# Allegro board LAY-95869_A.brd (continued)
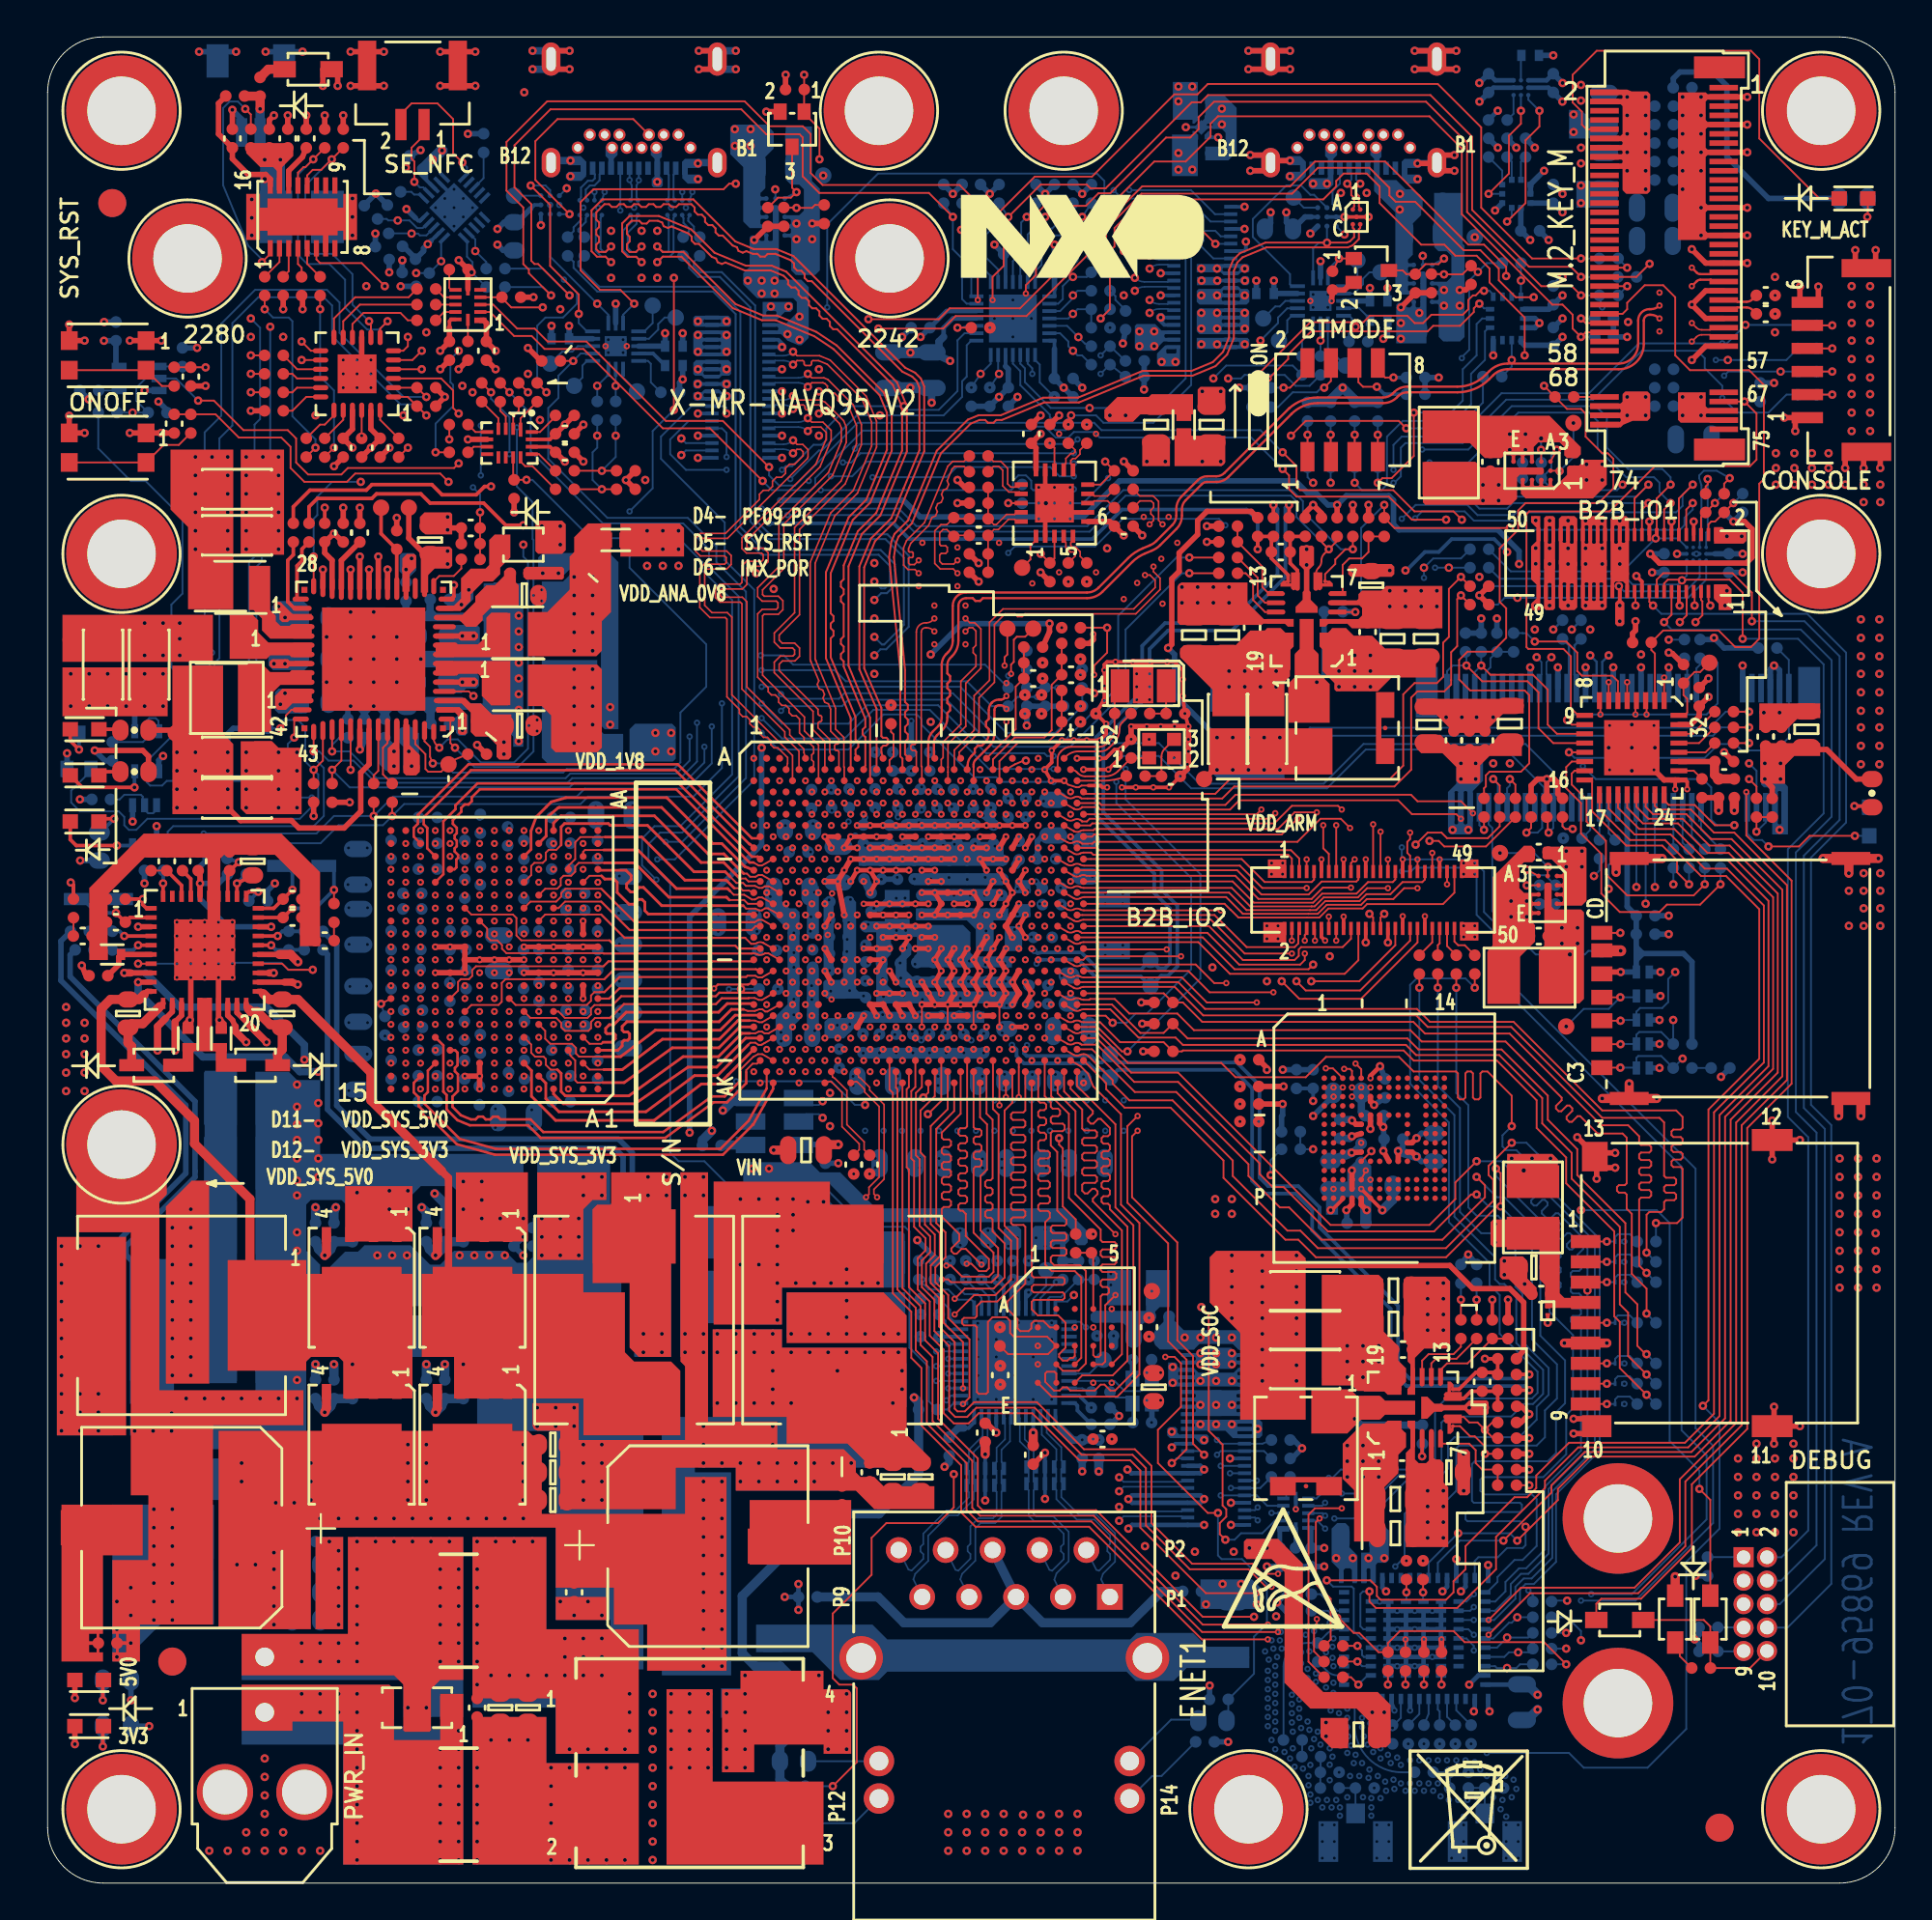
[diagram p0: board, top side]
## Copper pours and planes (outline as drawn; the poured copper is in the pictures) (continued)
VDD_3V3_M2_KEYB on TOP (solid shape): 95.95,61.05 94.55,61.05 94.05,60.55 94.05,59.55 92.8,59.55 92.7,59.65 92.7,61.6 92.85,61.75 95.95,61.75
VDD_3V3_M2_KEYB on TOP (solid shape): 76,61.6 78,61.6 78.6,62.2 79.8,62.2 79.8,61.05 78.05,61.05 77.55,60.55 77.55,59.65 77.45,59.55 76.4,59.55 76.25,59.7 76.25,60.45 75.5,61.2 74.35,61.2 74.1,61.45 74.1,62.05 74.25,62.2 75.4,62.2
VDD_3V3_M2_KEYB on TOP (solid shape): 83.3,56.05 83.3,53.2 83.04,52.94 81.66,52.94 81.61,52.99 81.61,53.09 81.66,53.14 81.96,53.14 82.01,53.19 82.01,53.39 81.96,53.44 81.66,53.44 81.61,53.49 81.61,53.59 81.66,53.64 81.96,53.64 82.01,53.69 82.01,53.89 81.96,53.94 81.66,53.94 81.61,53.99 81.61,54.09 81.66,54.14 81.96,54.14 82.01,54.19 82.01,54.39 81.96,54.44 81.66,54.44 81.61,54.49 81.61,54.59 81.66,54.64 81.96,54.64 82.01,54.69 82.01,54.84 81.41,55.44 81.01,55.44 80.91,55.54 80.91,56.04 81.01,56.14 83.21,56.14
VDD_3V3_M2_KEYB on BOTTOM (solid shape): 94.05,59.55 94.2,59.4 94.2,56.8 93.35,56.8 93.35,59.1 93.65,59.1 93.65,57.4 93.7,57.35 93.8,57.35 93.85,57.4 93.85,59.1 93.8,59.15 93.7,59.15 93.65,59.1 93.35,59.1 93.1,59.35 92.9,59.35 92.75,59.5 92.75,60.9 94.05,60.9
VDD_3V3_M2_KEYB on BOTTOM (solid shape): 77.7,59.7 77.15,59.15 77.15,56.95 77,56.8 75.95,56.8 75.8,56.95 75.8,59.1 76.15,59.1 76.15,57.4 76.2,57.35 76.3,57.35 76.35,57.4 76.35,59.1 76.65,59.1 76.65,57.4 76.7,57.35 76.8,57.35 76.85,57.4 76.85,59.1 76.8,59.15 76.7,59.15 76.65,59.1 76.35,59.1 76.3,59.15 76.2,59.15 76.15,59.1 75.8,59.1 76.25,59.55 76.25,60.9 77.7,60.9
VDD_3V3_M2_KEYB on L6_POWER2: 75.2,63.75 75.2,53.8 86.15,53.8 86.15,56.55 89.05,56.55 89.4,56.9 89.4,58.35 89.75,58.7 91.35,58.7 91.75,58.3 91.75,56.55 93.7,56.55 94.2,57.05 94.2,63.75
VDD_3V3_M2_KEYM on TOP (solid shape): 86.75,80.65 86.75,79.35 86.6,79.2 85.79,79.2 85.29,78.99 85.15,78.85 83.5,78.85 83.5,79.15 85.1,79.15 85.15,79.2 85.15,79.3 85.1,79.35 83.5,79.35 83.5,79.65 85.1,79.65 85.15,79.7 85.15,79.8 85.1,79.85 83.5,79.85 83.5,80.15 85.15,80.15 85.25,80.25 85.25,80.65 85.4,80.8 86.6,80.8
VDD_3V3_M2_KEYM on TOP (solid shape): 84.4,75.75 83.65,75 80,75 79.74,75.26 79.74,76.04 79.79,76.09 79.89,76.09 79.94,76.04 79.94,75.74 79.99,75.69 80.19,75.69 80.24,75.74 80.24,76.04 80.29,76.09 80.39,76.09 80.44,76.04 80.44,75.74 80.49,75.69 80.69,75.69 80.74,75.74 80.74,76.04 80.79,76.09 80.89,76.09 80.94,76.04 80.94,75.74 80.99,75.69 81.19,75.69 81.24,75.74 81.24,76.04 81.29,76.09 81.39,76.09 81.44,76.04 81.44,75.74 81.49,75.69 81.64,75.69 82.24,76.29 82.24,76.69 82.34,76.79 82.89,76.79 83.2,77.1 84.4,77.1
VDD_3V3_M2_KEYM on TOP (solid shape): 85.74,97.05 86.6,97.05 86.75,96.9 86.75,91.65 86.6,91.5 85.45,91.5 85.25,91.7 85.25,92.85 83.5,92.85 83.5,93.15 85.2,93.15 85.25,93.2 85.25,93.3 85.2,93.35 83.5,93.35 83.5,93.65 85.2,93.65 85.25,93.7 85.25,93.8 85.2,93.85 83.5,93.85 83.5,94.15 85.2,94.15 85.25,94.2 85.25,94.3 85.2,94.35 83.5,94.35 83.5,94.65 85.15,94.65 85.25,94.75 85.25,96.25 85.15,96.35 83.5,96.35 83.5,96.65 85.2,96.65 85.25,96.7 85.25,96.8 85.2,96.85 83.5,96.85 83.5,97.15 85.5,97.15
VDD_3V3_M2_KEYM on BOTTOM: 82.75,94.1 82.75,93.05 82.9,92.9 83.4,92.9 83.75,93.25 84.75,93.25 85.25,92.75 85.25,88.6 85.65,88.2 86.5,88.2 86.5,91.15 87.35,92 87.35,96.25 88.3,97.2 88.3,97.6 86.95,97.6 86.4,97.05 85.2,97.05 84.6,97.65 82.9,97.65 82.75,97.5 82.75,96.45 82.9,96.3 83.55,96.3 83.75,96.5 85,96.5 85.25,96.25 85.25,94.5 85,94.25 82.9,94.25
VDD_3V3_M2_KEYM on BOTTOM: 87.2,78.5 87.2,77.4 88.55,77.4 88.55,78.85 87.85,79.55 87.55,79.55 87.35,79.75 87.35,82.3 86.7,82.3 85.25,80.85 85.25,79.2 86.5,79.2
VDD_3V3_M2_KEYM on L6_POWER2: 79.95,81.8 79.95,73.85 84.5,73.85 84.5,68.1 84.9,67.7 86.85,67.7 87.15,68 87.15,73.85 90.55,73.85 90.55,97.75 82.65,97.75 82.65,86.95 84.8,86.95 84.8,81.8
VDD_ANA_0V8 on TOP (solid shape): 30.5,68.85 30,68.35 30,66.75 29.7,66.45 26,66.45 26,68.85 27.05,68.85 28.25,70.05 28.25,71.85 28.5,72.1 28.5,72.9 29.25,73.65 30.5,73.65
VDD_ANA_0V8 on BOTTOM (solid shape): 29.75,70.85 29.75,66.5 26.75,66.5 26.75,70.5 27.9,70.5 28.4,71 29.6,71
VDD_ANA_0V8 on BOTTOM (solid shape): 43.76,53.14 43.76,48.42 43.9,48.29 44.25,48.29 44.31,48.23 44.31,47.91 42.17,47.91 41.99,48.1 41.99,48.81 42.1,48.92 42.9,48.92 43.06,49.09 43.06,53.26 43.17,53.38 43.52,53.38
VDD_ANA_0V8 on TOP: 43.56,52.7 44.01,52.7 44.37,52.34 44.37,48.8 44.2,48.63 43.51,48.63 43.37,48.76 43.37,48.91 43.28,49.01 43.28,52.42
VDD_ANA_0V8 on L8_IN2: 28.2,66.3 28.2,70.95 28.75,71.5 30.9,71.5 31.8,70.6 41.3,70.6 42.7,69.2 42.7,54.45 44.45,52.7 44.45,48 43.65,47.2 40.75,47.2 36.35,51.6 36.35,61.6 35.15,62.8 30.25,62.8 29.95,63.1 29.95,66.1 29.75,66.3
VDD_ANA_0V8_F on TOP (solid shape): 34.45,73.4 34.45,71.85 31,71.85 31,73.65 34.2,73.65
VDD_ANA_0V8_F on TOP: 42.9,56.2 42.9,55.95 43,55.85 44.05,55.85 44.15,55.95 44.15,56.3 44.3,56.45 45.8,56.45 45.8,56.9 43.2,56.9 43.2,56.5
VDD_ANA_0V8_F on BOTTOM: 43.23,58.59 45.01,58.59 45.14,58.46 45.14,57.85 45.01,57.72 45.01,57.21 44.76,56.96 44.17,56.96 43.76,56.55 43.48,56.55 43.06,56.97 43.06,58.41
VDD_ANA_0V8_F on L8_IN2: 46.84,53.91 46.84,52.23 47.07,52.01 47.07,50.88 47.58,50.37 47.58,49.06 48.02,48.61 56.55,48.61 56.55,44.15 55.15,42.75 53.1,42.75 53.1,44.95 51.55,46.5 49.35,46.5 48.7,45.85 48.5,45.85 47.8,46.55 44.85,46.55 44.56,46.26 44.56,45.91 44.45,45.8 44,45.8 43.8,46 43.8,47.05 44.69,47.94 44.69,52.81 42.9,54.6 42.9,69.5 41.6,70.8 39.05,70.8 38.45,71.4 34.7,71.4 34.35,71.75 32.1,71.75 32.1,73.3 32.3,73.5 44.95,73.5 47.1,71.35 47.1,62.85 51.3,58.65 51.3,57.7 51.49,57.51 51.49,57.19 50.95,56.65 49.33,56.65 47.76,55.08 46.96,55.08 46.53,54.66 46.53,54.22
VDD_ANA_1V8_F on BOTTOM (solid shape): 34,62.6 34,60.9 33.85,60.75 31.8,60.75 31.5,61.05 31.5,62.5 31.8,62.8 33.8,62.8
VDD_ANA_1V8_F on TOP: 41.85,57.05 41.85,54.6 43.05,54.6 43.05,55.5 42.7,55.85 42.7,56.3 43.05,56.65 43.05,57.05
VDD_ANA_1V8_F on BOTTOM: 42.08,58.59 42.65,58.59 42.82,58.41 42.82,57.9 41.9,56.97 41.9,55.65 41.75,55.5 41.03,55.5 40.92,55.61 40.92,57.39 41.19,57.66 41.48,57.66 42,58.17 42,58.5
VDD_ANA_1V8_F on BOTTOM: 52.88,48.99 53.31,48.99 53.48,48.82 53.48,47.23 53.73,46.97 54.14,46.97 54.64,47.47 54.64,47.92 54.85,48.13 55.62,48.13 55.9,47.84 55.9,47.46 54.91,46.47 54.91,45.61 54.6,45.3 53.5,45.3 52.77,46.03 52.77,48.88
VDD_ANA_1V8_F on L3_IN1: 53.36,55.73 53.36,55.32 52.92,54.88 52.17,54.88 50.65,56.4 44.24,56.4 43.2,55.35 43.2,53.41 43.48,53.13 43.48,49.98 45.14,48.32 46.14,48.32 46.7,47.77 51.48,47.77 51.95,48.24 51.95,48.9 52.1,49.05 53.09,49.05 53.4,48.73 53.4,46.21 52.85,45.66 42.2,45.66 41.18,46.67 41.18,56.14 41.32,56.28 41.32,57.97 41.85,58.5 52.71,58.5 52.99,58.22 52.99,57.64 53.63,57.01 53.63,56
VDD_ANA_1V8_F on L5_POWER1: 49.85,61.85 49.85,57.85 48.9,56.9 48.6,56.9 48.45,57.05 47.9,57.05 47.65,56.8 47.45,56.8 46.4,57.85 43.5,57.85 42.7,57.05 42.7,55.25 42.05,54.6 36.1,54.6 32.6,58.1 32.6,62.45 33.1,62.95 37.7,62.95 38.2,62.45 38.2,61.35 38.5,61.05 39.6,61.05 40.4,61.85
VDD_ANA_1V8_F on L8_IN2: 46.25,46.35 46.25,43.7 39.6,43.7 33.9,49.4 33.9,56.7 32.55,58.05 32.55,62.6 35,62.6 36.15,61.45 36.15,51.4 40.55,47 43.6,47 43.6,45.95 43.95,45.6 44.55,45.6 44.75,45.8 44.75,46.15 44.95,46.35
VDD_ARM on TOP (solid shape): 69.55,60.05 62.85,60.05 62.85,62.55 69.55,62.55
VDD_ARM on BOTTOM (solid shape): 51.7,54.05 46.9,54.05 46.9,54.7 51.7,54.7
VDD_ARM on BOTTOM (solid shape): 66.95,59.8 63.35,59.8 63.05,60.1 63.05,62.3 66.95,62.3
VDD_ARM on BOTTOM (solid shape): 52,52.15 51.2,52.15 51.2,50.5 50.25,50.5 50.25,51.65 49.75,52.15 47,52.15 47,52.8 52,52.8
VDD_ARM on TOP: 47.22,55.08 49.97,55.08 50.48,54.57 51.21,54.57 51.38,54.41 51.38,54.02 51.13,53.78 51.13,53.52 50.88,53.27 50.86,53.27 50.86,52.78 51,52.64 51,52.35 50.86,52.21 50.19,52.21 49.04,51.06 47.22,51.06 47.09,51.19 47.09,51.38 47.23,51.52 48.22,51.52 48.52,51.82 48.52,52.05 48.36,52.21 47.26,52.21 47.08,52.39 47.08,54.94
VDD_ARM on BOTTOM: 55.42,54.9 58.2,54.9 58.65,54.45 58.65,52.55 58.35,52.25 55.65,52.25 55.42,52.48
VDD_ARM on L5_POWER1: 67.15,48.99 54.66,48.99 52.8,50.85 48.25,50.85 46.65,52.45 46.65,54.13 47.21,54.69 47.94,54.69 48.92,55.67 49.58,55.67 50.05,56.15 50.05,56.8 50.05,62.8 66.65,62.8 67.15,62.3
VDD_ARM on L6_POWER2: 54.3,53.1 54.3,58.95 55.55,60.2 60,60.2 62.65,62.85 69.05,62.85 69.85,62.05 69.85,47.7 56.23,47.7 56.23,47.7 54.6,47.7 51.35,50.95 47.82,50.95 46.7,52.07 46.7,54.15 47.28,54.73 47.89,54.73 48.2,55.05 48.99,55.05 49.66,54.38 51.38,54.38 51.66,54.1 51.66,53.49 52.55,52.6 53.8,52.6
VDD_ARM on L7_GND3: 57.35,54.3 56.86,54.09 56.65,53.6 56.65,53 56.84,52.54 57.3,52.35 58.2,52.35 58.41,52.44 58.5,52.65 58.5,53.95 58.4,54.2 58.15,54.3
VDD_ARM on L8_IN2: 51,53.2 51,50.94 50.81,50.75 47.49,50.75 47.22,51.02 47.22,52.14 46.98,52.38 46.98,53.99 46.73,54.24 46.73,54.57 47.02,54.86 47.67,54.86 47.96,55.15 48.16,55.15 49.48,56.48 51.63,56.48 52.3,57.15 58.8,57.15 58.8,52.52 55.78,52.52 54.3,54 53.7,54.6 52.4,54.6
VDD_BAT on TOP (solid shape): 18.75,10.5 18.75,7.75 21.25,7.75 21.25,10.25 22.5,10.25 22.5,1 16,1 16,8.75 13.25,8.75 13.25,8.25 10.5,8.25 10.5,10.75 18.5,10.75
VDD_BAT on BOTTOM (solid shape): 18.75,8.5 22.5,8.5 22.5,1 16,1 16,7.5 10.5,7.5 10.5,10.5 18.75,10.5
VDD_BATF on TOP (solid shape): 27,6.5 32,6.5 32,1 23,1 23,9 27,9
VDD_BATF on BOTTOM (solid shape): 27,6.5 32,6.5 32,1 23,1 23,9 27,9
VDD_BATFC on TOP (solid shape): 36,5.5 42,5.5 42,1 33.5,1 33.5,10.5 36,10.5
VDD_BATFC on TOP (solid shape): 39.75,29 46.5,29 46.5,24.3 47.8,23 47.8,22.75 47.55,22.5 44.25,22.5 44.25,22.85 43.3,23.8 40,23.8 40,25.25 36,25.25 36,30 39.75,30
VDD_BATFC on BOTTOM (solid shape): 39.75,29 46.3,29 46.3,28.35 46.5,28.15 46.5,25.75 36,25.75 36,30 39.75,30
VDD_BATFC on L3_IN1: 33.5,11 33.5,5.95 42.65,5.95 46.5,9.8 46.5,30 36,30 36,25.55 37.95,25.55 37.95,11
VDD_BBSM_1V8 on TOP (solid shape): 21.9,72.25 21.9,71.35 21.75,71.2 20.95,71.2 20.6,70.85 20.6,69.9 20.2,69.9 20.2,72.15 20.45,72.4 21.75,72.4
VDD_BBSM_1V8 on L8_IN2: 52.25,57.5 51.75,57.5 51.5,57.75 51.5,59 48.55,61.95 48.55,66.45 47.35,67.65 47.35,71.4 45.05,73.7 32,73.7 30.35,72.05 25.55,72.05 24.65,71.15 21.15,71.15 20.85,71.45 20.85,74.5 24.45,74.5 25.6,75.65 47.1,75.65 50.5,72.25 50.5,65.9 53.3,63.1 53.3,62.1 52.6,61.4 52.6,60.65 52.8,60.45 53.95,60.45 53.95,59.2
VDD_SD2_3V3 on TOP (solid shape): 19.6,61.65 20.15,61.1 20.15,60.2 19.95,60 19.4,60 19.25,60.15 19.25,62.75 19.6,62.75
VDD_SD2_3V3 on TOP (solid shape): 81.85,31.95 82.1,31.7 83.55,31.7 83.55,31.15 81.05,31.15 81.05,32.4 80.75,32.7 80.75,34.45 78.25,34.45 78.1,34.6 78.1,35.8 78.25,35.95 81.85,35.95
VDD_SD2_3V3 on BOTTOM (solid shape): 20.1,60.45 19.9,60.25 19.25,60.25 19.25,61.55 18.9,61.9 18.9,62.3 20.1,62.3
VDD_SD2_3V3 on L3_IN1: 62.7,36.3 62.7,33.75 63.2,33.25 78.7,33.25 78.7,36 73.4,36 72.2,34.8 68.4,34.8 66.55,36.65 63.05,36.65
VDD_SD2_3V3 on L8_IN2: 9.55,63.3 9.55,42.6 16.7,35.45 29.75,35.45 35.5,29.7 47.7,29.7 48.15,30.15 55.8,30.15 56.05,30.4 58.85,30.4 64.35,35.9 64.35,36.4 64.2,36.55 62.7,36.55 58.15,32 56.2,32 55.8,31.6 52.9,31.6 52.25,32.25 47.25,32.25 44.85,34.65 34.65,34.65 30.5,38.8 19.45,38.8 13,45.25 13,58.2 14.2,59.4 14.65,59.4 15.9,60.65 16.65,60.65 17.9,59.4 20.62,59.4 20.62,63.3
VDD_SDIO2 on TOP (solid shape): 22.9,63.9 23.45,63.9 24.05,63.3 25.1,63.3 25.1,61 24.95,60.85 24.45,60.85 24.3,61 24.3,61.65 23.85,62.1 23.15,62.1 22.9,62.35 22.9,63.4 22.4,63.9 21.1,63.9 21.1,64.2 22.6,64.2
VDD_SDIO2 on L8_IN2: 59.55,47.95 59.55,44.3 56.35,41.1 53.25,41.1 52.85,40.7 52.85,36.6 51.55,35.3 34.35,35.3 30.65,39 19.65,39 13.2,45.45 13.2,56.3 16.1,59.2 20.8,59.2 20.8,62.2 25.15,62.2 25.15,57.6 24.5,56.95 17.4,56.95 15.5,55.05 15.5,45.9 20.15,41.25 31.9,41.25 35.3,37.85 49.45,37.85 50.4,38.8 50.4,46.08 50.55,46.23 51.32,46.23 52.85,44.69 52.85,42.55 55.25,42.55 56.8,44.1 56.8,47.95
VDD_SOC on TOP (solid shape): 27.95,71.2 27.95,70.7 27.85,70.6 25.9,70.6 25.75,70.75 25.75,71.15 25.9,71.3 27.85,71.3
VDD_SOC on TOP (solid shape): 68.1,33.85 68.1,25.1 64.55,25.1 64.55,29.8 62.9,31.45 62.9,33.9 63.25,34.25 67.7,34.25
VDD_SOC on BOTTOM (solid shape): 50.25,57 45.49,57 45.49,57.4 46.25,57.4 46.5,57.65 50.25,57.65
VDD_SOC on BOTTOM (solid shape): 30.9,71.55 30.9,62.5 30.15,62.5 29.95,62.7 29.95,71 29.75,71.2 28.3,71.2 27.8,70.7 26.7,70.7 26.55,70.85 26.55,71.8 26.8,72.05 30.4,72.05
VDD_SOC on BOTTOM (solid shape): 46.65,51.9 49.55,51.9 49.95,51.5 49.95,50.4 50.15,50.2 52.2,50.2 52.2,49.6 46.9,49.6 46.9,50.2 47.05,50.35 47.05,51.25 45.65,51.25 45.65,50.3 45.45,50.1 45.45,48.65 45.8,48.3 52.5,48.3 52.5,47.65 44.85,47.65 44.85,51.5 44.2,51.5 44.2,52.1 46.65,52.1
VDD_SOC on TOP: 44.3,56.2 44.3,55.9 44.4,55.8 49.25,55.8 49.45,55.6 49.45,55.35 49.55,55.25 49.95,55.25 50.05,55.35 50.05,55.7 49.45,56.3 44.4,56.3
VDD_SOC on TOP: 44.63,51.58 46.75,51.58 46.94,51.4 46.94,50.88 46.69,50.63 46.69,50.33 46.78,50.24 47.64,50.24 48.21,50.82 48.5,50.82 48.59,50.73 48.59,48.04 48.41,47.86 48.16,47.86 47.83,48.19 47.83,48.88 47.62,49.09 47.09,49.09 46.97,48.96 46.97,48.7 47.31,48.36 47.31,48.16 47.15,48 46.85,48 46.75,48.09 46.75,48.18 46.24,48.7 46.24,49.68 46.02,49.9 45.59,49.9 45.35,49.66 45.35,49.33 45.5,49.18 45.5,48.69 45.39,48.58 45.09,48.58 44.6,49.07 44.6,49.68 44.38,49.91 44.38,50.15 44.45,50.23 45.89,50.23 46.02,50.36 46.02,50.52 45.67,50.88 44.62,50.88 44.36,51.13 44.36,51.31
VDD_SOC on TOP: 43.72,55.1 46.74,55.1 46.87,54.98 46.87,54.36 45.96,53.45 43.69,53.45 43.3,53.84 43.3,54.52 43.56,54.78 43.56,54.94
VDD_SOC on TOP: 50.95,51.15 51.35,51.55 51.6,51.55 51.8,51.35 51.8,50.95 51.45,50.6 51.45,49.65 51.55,49.55 51.55,49.2 51.35,49 51.35,48.55 51.5,48.4 51.5,48.05 51.3,47.85 51,47.85 50.75,48.1 50.75,48.4 50.5,48.65 50.5,49.05 50.7,49.25 50.7,49.65 50.55,49.8 50.55,50.3 50.95,50.7
VDD_SOC on TOP: 50.05,50.87 50.05,49.65 50.15,49.55 50.15,49.2 49.95,49 49.95,48.55 50.1,48.4 50.1,48.05 49.9,47.85 49.6,47.85 49.35,48.1 49.35,48.4 49.1,48.65 49.1,49.05 49.3,49.25 49.3,49.65 49.15,49.8 49.15,50.3 49.55,50.7 49.55,50.9 49.83,51.02
VDD_SOC on BOTTOM: 58.3,43.3 64.1,43.3 64.75,42.65 64.75,37.7 65.75,36.7 67.15,36.7 67.85,36 67.85,34.9 68.45,34.3 68.45,26.7 65.4,26.7 65.4,30.2 61.95,30.2 61,31.15 61,33.3 60.85,33.45 58.45,33.45 55.2,36.7 45,36.7 43.85,37.85 43.85,41.25 45.35,42.75 45.35,44.1 45.6,44.35 48.7,44.35 48.9,44.15 48.9,42.9 49.2,42.6 57.6,42.6
VDD_SOC on L3_IN1: 43.34,54.77 43.73,55.16 43.73,55.68 44.29,56.24 50.43,56.24 50.87,55.8 51.95,54.73 52.31,54.73 52.95,54.08 52.95,53.45 52.35,53.45 52.05,53.15 52.05,52.8 51.75,52.5 51.75,51.05 52,50.8 52.7,50.8 52.7,49.9 51.8,49 51.8,48.44 51.28,47.92 46.86,47.92 46.27,48.51 45.09,48.51 44.35,49.25 44.35,49.48 43.64,50.19 43.64,53.18 43.34,53.48
VDD_SOC on L5_POWER1: 54.6,48.7 65.5,48.7 65.5,42.05 66.75,40.8 68.25,40.8 68.25,26.25 60.45,26.25 60.45,29.1 59.3,30.25 53.3,30.25 52.45,31.1 44,31.1 44,35 38.5,35 38.5,50.05 41.65,50.05 42.39,50.79 42.39,52.06 42.05,52.4 34.85,52.4 30.55,56.7 30.55,61.25 30.1,61.7 30.1,63.8 30.3,64 30.9,64 32.4,62.5 32.4,57.95 36,54.35 42.2,54.35 42.9,55.05 42.9,56.95 43.6,57.65 46.3,57.65 47.35,56.6 47.75,56.6 48,56.85 48.3,56.85 48.5,56.65 49.05,56.65 49.5,57.1 49.75,57.1 49.85,57 49.85,56.25 49.5,55.9 48.85,55.9 47.85,54.9 47.1,54.9 46.45,54.25 46.45,52.3 48.15,50.6 52.7,50.6
VDD_SOC on L6_POWER2: 53.1,57.15 53.1,53.95 52.39,53.24 52.21,53.24 51.83,53.62 51.83,54.22 51.43,54.62 49.73,54.62 49.1,55.25 48.13,55.25 47.77,54.89 47.14,54.89 46.45,54.2 46.45,52.04 47.74,50.75 51.25,50.75 54.47,47.52 69.85,47.52 69.85,38.9 73.04,38.9 74.35,37.59 74.35,24.4 73.5,23.55 64.7,23.55 64.7,26.85 40.4,26.85 40.4,39.35 42.9,39.35 43.3,39.75 43.3,40.25 42.9,40.65 42.45,40.65 42.45,57.85 45.4,57.85 45.6,57.65 45.6,56.85 45.85,56.6 46.35,56.6 46.6,56.85 46.6,57.15 47.3,57.85 52.4,57.85
VDD_SOC on L8_IN2: 53.6,54.45 55.75,52.3 55.75,48.74 48.23,48.74 47.77,49.2 47.77,50.37 47.95,50.55 50.98,50.55 51.2,50.77 51.2,53.11 52.11,54.02 52.54,54.45
VDD_SYS_3V3 on TOP (solid shape): 30.25,37 29.5,37 29,36.5 29,33.75 26.5,33.75 26.5,38.5 30.25,38.5
VDD_SYS_3V3 on TOP (solid shape): 77.59,76.69 80.89,76.69 80.99,76.59 80.99,76.39 80.89,76.29 79.69,76.29 79.54,76.14 79.54,74.99 79.21,74.65 74.58,74.65 74.44,74.79 74.44,76.89 74.54,76.99 77.29,76.99
VDD_SYS_3V3 on TOP (solid shape): 81.41,54.09 81.41,52.89 81.56,52.74 83.01,52.74 83.16,52.59 83.16,47.89 82.91,47.64 80.81,47.64 80.71,47.74 80.71,50.49 81.01,50.79 81.01,54.09 81.11,54.19 81.31,54.19
VDD_SYS_3V3 on TOP (solid shape): 83.2,72.6 83.25,72.55 83.35,72.55 83.4,72.6 83.4,73.4 83.6,73.4 83.6,72.6 83.65,72.55 83.75,72.55 83.8,72.6 83.8,73.4 84,73.4 84,72.6 84.05,72.55 84.15,72.55 84.2,72.6 84.2,73.4 84.4,73.4 84.4,71.35 84.25,71.2 83.15,71.2 83,71.35 83,73.4 83.2,73.4
VDD_SYS_3V3 on TOP (solid shape): 83.2,69.5 83.25,69.45 83.35,69.45 83.4,69.5 83.4,70.3 83.6,70.3 83.6,69.5 83.65,69.45 83.75,69.45 83.8,69.5 83.8,70.3 84,70.3 84,69.5 84.05,69.45 84.15,69.45 84.2,69.5 84.2,70.3 84.4,70.3 84.4,69.1 84.25,68.95 83.15,68.95 83,69.1 83,70.3 83.2,70.3
VDD_SYS_3V3 on TOP (solid shape): 84.4,73.9 84.4,72.7 84.2,72.7 84.2,73.5 84.15,73.55 84.05,73.55 84,73.5 84,72.7 83.8,72.7 83.8,73.5 83.75,73.55 83.65,73.55 83.6,73.5 83.6,72.7 83.4,72.7 83.4,73.5 83.35,73.55 83.25,73.55 83.2,73.5 83.2,72.7 83,72.7 83,73.9 83.15,74.05 84.25,74.05
VDD_SYS_3V3 on TOP (solid shape): 84.4,71.65 84.4,69.6 84.2,69.6 84.2,70.4 84.15,70.45 84.05,70.45 84,70.4 84,69.6 83.8,69.6 83.8,70.4 83.75,70.45 83.65,70.45 83.6,70.4 83.6,69.6 83.4,69.6 83.4,70.4 83.35,70.45 83.25,70.45 83.2,70.4 83.2,69.6 83,69.6 83,71.65 83.15,71.8 84.25,71.8
VDD_SYS_3V3 on BOTTOM (solid shape): 63.55,25.3 61.35,25.3 61.35,25.5 62.1,25.5 62.15,25.55 62.15,25.65 62.1,25.7 61.35,25.7 61.35,25.9 62.1,25.9 62.15,25.95 62.15,26.05 62.1,26.1 61.35,26.1 61.35,26.3 62.1,26.3 62.15,26.35 62.15,26.45 62.1,26.5 61.35,26.5 61.35,26.7 63.55,26.7
VDD_SYS_3V3 on BOTTOM (solid shape): 65.13,26.5 64.4,26.5 64.35,26.45 64.35,26.35 64.4,26.3 65.13,26.3 65.13,26.1 64.4,26.1 64.35,26.05 64.35,25.95 64.4,25.9 65.13,25.9 65.13,25.7 64.4,25.7 64.35,25.65 64.35,25.55 64.4,25.5 65.13,25.5 65.13,25.3 62.95,25.3 62.95,26.7 65.13,26.7
VDD_SYS_3V3 on BOTTOM (solid shape): 30.45,38.95 30.45,36.8 31.05,36.8 31.05,30 29.25,30 29.25,31.25 15.25,31.25 15.25,33.35 16.1,34.2 16.8,34.2 17.15,34.55 19.65,34.55 20.7,33.5 21.25,33.5 22,34.25 24.75,34.25 25.4,33.6 25.95,33.6 26.25,33.9 26.25,36 26.5,36.25 26.5,39.45 29.95,39.45
VDD_SYS_3V3 on BOTTOM (solid shape): 36.3,83.9 35.5,83.9 35.45,83.85 35.45,83.75 35.5,83.7 36.3,83.7 36.3,83.5 35.5,83.5 35.45,83.45 35.45,83.35 35.5,83.3 36.3,83.3 36.3,83.1 35.5,83.1 35.45,83.05 35.45,82.95 35.5,82.9 36.3,82.9 36.3,82.7 35.1,82.7 34.95,82.85 34.95,83.95 35.1,84.1 36.3,84.1
VDD_SYS_3V3 on BOTTOM (solid shape): 37,83.95 37,82.85 36.85,82.7 35.6,82.7 35.6,82.9 36.4,82.9 36.45,82.95 36.45,83.05 36.4,83.1 35.6,83.1 35.6,83.3 36.4,83.3 36.45,83.35 36.45,83.45 36.4,83.5 35.6,83.5 35.6,83.7 36.4,83.7 36.45,83.75 36.45,83.85 36.4,83.9 35.6,83.9 35.6,84.1 36.85,84.1
VDD_SYS_3V3 on BOTTOM (solid shape): 64.4,85.1 63.6,85.1 63.55,85.05 63.55,84.95 63.6,84.9 64.4,84.9 64.4,84.7 63.6,84.7 63.55,84.65 63.55,84.55 63.6,84.5 64.4,84.5 64.4,84.3 63.6,84.3 63.55,84.25 63.55,84.15 63.6,84.1 64.4,84.1 64.4,83.9 62.35,83.9 62.2,84.05 62.2,85.15 62.35,85.3 64.4,85.3
VDD_SYS_3V3 on BOTTOM (solid shape): 65.05,85.15 65.05,84.05 64.9,83.9 63.7,83.9 63.7,84.1 64.5,84.1 64.55,84.15 64.55,84.25 64.5,84.3 63.7,84.3 63.7,84.5 64.5,84.5 64.55,84.55 64.55,84.65 64.5,84.7 63.7,84.7 63.7,84.9 64.5,84.9 64.55,84.95 64.55,85.05 64.5,85.1 63.7,85.1 63.7,85.3 64.9,85.3
VDD_SYS_3V3 on TOP: 69.4,7.1 72.55,7.1 72.95,7.5 72.95,10.2 75.85,10.2 76.65,11 92.7,11 93.85,12.15 93.85,17.65 95.2,19 95.2,25 94.05,26.15 92.45,26.15 92.45,38.85 94.15,38.85 95.15,39.85 95.15,41.05 99.45,41.05 99.45,3 98.72,1.23 96.95,0.5 46.3,0.5 46.3,12.2 64.85,12.2 68.7,8.35 68.7,7.8
VDD_SYS_3V3 on L3_IN1: 18.35,38.35 18.35,33.7 30.25,33.7 30.25,38.35
VDD_SYS_3V3 on L5_POWER1: 0.51,97 1.24,98.76 3,99.49 97,99.49 98.73,98.78 99.44,97.05 99.44,2.95 98.73,1.22 97,0.51 3,0.51 1.24,1.24 0.51,3 ; 3 cut-outs
VDD_SYS_3V3 on L6_POWER2: 26.4,37.55 26.4,33.45 27.05,32.8 34.95,32.8 36.1,31.65 36.1,23.55 64.5,23.55 64.5,26.6 40.2,26.6 40.2,37.9 37.9,37.9 36.75,39.05 27.9,39.05
VDD_SYS_3V3 on L8_IN2: 0.51,96.86 1.28,98.72 3.14,99.49 96.86,99.49 98.66,98.75 99.4,96.95 99.4,2.95 98.68,1.22 96.95,0.5 3.1,0.5 1.27,1.26 0.51,3.09 ; 1 cut-out
VDD_SYS_5V0 on TOP (solid shape): 8.75,27.05 6.4,27.05 6.4,36.65 7.8,38.05 8.75,38.05
VDD_SYS_5V0 on TOP (solid shape): 19.95,71.9 19.95,71.25 19.6,70.9 19.6,69.95 19.2,69.95 19.2,71.75 19.45,72 19.85,72
VDD_SYS_5V0 on TOP (solid shape): 14.3,63.95 14.25,63.9 13.25,63.9 12.9,63.55 12.45,63.55 12.3,63.7 12.3,64.3 12.7,64.7 14.3,64.7
VDD_SYS_5V0 on TOP (solid shape): 13.1,66.2 14.3,66.2 14.3,65.9 13.1,65.9 13,65.8 12.15,65.8 12,65.95 12,66.15 12.15,66.3 13,66.3
VDD_SYS_5V0 on TOP (solid shape): 23.3,67.65 23.3,67.45 23.15,67.3 22.35,67.3 22.25,67.4 21,67.4 21,67.7 22.25,67.7 22.35,67.8 23.15,67.8
VDD_SYS_5V0 on TOP (solid shape): 23.3,65.15 23.3,64.95 23.15,64.8 22.35,64.8 22.25,64.9 21,64.9 21,65.2 22.25,65.2 22.35,65.3 23.15,65.3
VDD_SYS_5V0 on TOP (solid shape): 81.2,72.6 81.25,72.55 81.35,72.55 81.4,72.6 81.4,73.4 81.6,73.4 81.6,71.2 81,71.2 81,73.4 81.2,73.4
VDD_SYS_5V0 on TOP (solid shape): 81.6,69.67 81.4,69.67 81.4,70.37 81.35,70.42 81.25,70.42 81.2,70.37 81.2,69.67 81,69.67 81,71.7 81.6,71.7
VDD_SYS_5V0 on TOP (solid shape): 64.95,69.35 65.83,68.47 67,68.47 67,68.22 65.8,68.22 65.73,68.15 61.3,68.15 61.15,68.3 61.15,70.22 61.38,70.45 64.95,70.45
VDD_SYS_5V0 on TOP (solid shape): 13.25,68.75 14.3,68.75 14.3,68.4 13.1,68.4 13,68.3 12.7,68.3 12.55,68.45 12.55,68.75 12.25,69.05 12.25,69.3 12.35,69.4 12.6,69.4
VDD_SYS_5V0 on TOP (solid shape): 75.92,32.6 75.92,28.95 74.52,28.95 74.02,28.45 74.02,26.9 73.77,26.9 73.77,28.1 73.62,28.25 73.62,29.13 73.4,29.35 73.4,32.7 73.55,32.85 75.67,32.85
VDD_SYS_5V0 on TOP (solid shape): 74.02,22.95 74.22,22.75 74.62,22.75 74.77,22.9 74.77,24.45 75.03,24.45 75.03,23.03 75.12,22.95 75.37,22.95 75.57,22.75 75.57,21.7 75.82,21.45 75.82,18.2 73.52,18.2 73.52,23.3 73.77,23.55 73.77,24.6 74.02,24.6
VDD_SYS_5V0 on TOP (solid shape): 75.5,67.97 70.6,67.97 70.35,68.22 69.3,68.22 69.3,68.47 70.95,68.47 71.15,68.67 71.15,69.07 71,69.22 69.45,69.22 69.45,69.48 70.87,69.48 70.95,69.57 70.95,69.82 71.15,70.02 72.2,70.02 72.45,70.27 75.5,70.27
VDD_SYS_5V0 on BOTTOM (solid shape): 23.4,68 23.4,67.15 23.2,66.95 21.55,66.95 21.55,68.15 23.25,68.15
VDD_SYS_5V0 on BOTTOM (solid shape): 14.15,69.15 14.15,68.2 13.9,67.95 12.5,67.95 12.15,68.3 12.15,69.15 12.45,69.45 13.85,69.45
VDD_SYS_5V0 on BOTTOM (solid shape): 14.15,66.65 14.15,65.95 13.9,65.7 12.2,65.7 11.95,65.95 11.95,66.65 12.2,66.9 13.9,66.9
VDD_SYS_5V0 on BOTTOM (solid shape): 14.15,64.5 14.15,63.5 14,63.35 12.5,63.35 12.3,63.55 12.3,64.5 12.5,64.7 13.95,64.7
VDD_SYS_5V0 on BOTTOM (solid shape): 23.35,65.4 23.35,64.85 23.2,64.7 22.65,64.7 22.4,64.45 21.55,64.45 21.55,65.65 23.1,65.65
VDD_SYS_5V0 on BOTTOM (solid shape): 10.25,27.2 6.84,27.2 6.84,25.96 4.45,25.96 4.45,33.8 6.5,33.8 6.5,35.6 8.5,37.6 8.5,44 10.25,44
VDD_SYS_5V0 on BOTTOM (solid shape): 19.95,71.9 19.95,71.1 19.6,70.75 19.6,70.3 19.2,70.3 19.2,70.9 19.05,71.05 19.05,71.9 19.2,72.05 19.8,72.05
VDD_SYS_5V0 on BOTTOM (solid shape): 60.3,84.1 61.3,84.1 61.3,83.9 60.5,83.9 60.45,83.85 60.45,83.75 60.5,83.7 61.3,83.7 61.3,83.5 60.4,83.5 59.9,83 59,83 58.85,83.15 58.85,84.35 58.95,84.45 59.95,84.45
VDD_SYS_5V0 on BOTTOM (solid shape): 74.64,87.19 74.64,83.4 73,83.4 73,85.5 73.1,85.6 73.4,85.6 73.5,85.5 73.5,85.45 73.6,85.35 73.75,85.35 73.85,85.45 73.85,85.7 74.05,85.7 74.05,85.4 74.1,85.35 74.25,85.35 74.3,85.4 74.3,87.26 74.34,87.29 74.54,87.29
VDD_SYS_5V0 on BOTTOM (solid shape): 41.2,86.45 41.2,83.7 40.8,83.3 40.64,83.3 40.06,83.54 39.7,83.9 38.7,83.9 38.7,84.1 39.5,84.1 39.55,84.15 39.55,84.25 39.5,84.3 38.7,84.3 38.7,84.5 40,84.5 40.55,85.05 40.55,85.65 40.35,85.85 39.4,85.85 39.4,86.85 40.8,86.85
VDD_SYS_5V0 on BOTTOM (solid shape): 39.59,90.79 39.59,85.94 39.5,85.85 38.4,85.85 37.65,86.6 37.65,87.2 38,87.55 38,89.15 38.1,89.25 38.4,89.25 38.5,89.15 38.5,89.05 38.6,88.95 38.75,88.95 38.8,89 38.8,89.3 39,89.3 39,89 39.05,88.95 39.2,88.95 39.25,89 39.25,90.86 39.29,90.89 39.49,90.89
VDD_SYS_5V0 on BOTTOM (solid shape): 64.35,28.7 65.13,28.7 65.13,28.5 64.4,28.5 64.35,28.45 64.35,28.35 64.4,28.3 65.13,28.3 65.13,28.1 64.35,28.1 64.1,27.85 62.4,27.85 62.15,28.1 61.37,28.1 61.37,28.3 62.1,28.3 62.15,28.35 62.15,28.45 62.1,28.5 61.37,28.5 61.37,28.7 62.15,28.7 62.45,29 64.05,29
VDD_SYS_5V0 on L3_IN1: 0.51,96.96 1.25,98.75 3.04,99.49 96.96,99.49 98.69,98.78 99.4,97.05 99.4,2.95 98.68,1.22 96.95,0.5 3.1,0.5 1.27,1.26 0.51,3.09 ; 1 cut-out
VDD_SYS_5V0 on L5_POWER1: 73.75,33.75 73.75,18.1 93.35,18.1 95,19.75 95,27.95 89.2,33.75
VDD_SYS_5V0 on L6_POWER2: 0.51,45.25 0.51,2.99 1.24,1.23 3,0.5 96.95,0.5 98.68,1.22 99.4,2.95 99.4,87.35 95.15,87.35 95.15,76.55 93.4,76.55 92.95,76.1 92.95,64 94.4,64 94.4,56.85 93.9,56.35 91.55,56.35 91.55,53.1 87.5,49.05 81.3,49.05 80.85,48.6 80.85,28.4 80.8,28.4 80.8,20.2 76.6,16 32.7,16 3.45,45.25
VDDQ_CPU_DDR on TOP (solid shape): 10.05,69 7.6,69 7.6,73.45 6.65,74.4 6.65,77.65 10.05,77.65
VDDQ_CPU_DDR on BOTTOM (solid shape): 41.75,51.45 41.1,51.45 41.1,54 41.75,54
VDDQ_CPU_DDR on BOTTOM (solid shape): 41.75,49.55 41.75,45.65 41.1,45.65 41.1,49.65 41.65,49.65
VDDQ_CPU_DDR on TOP: 41.8,53.9 41.8,50.95 42.8,50.95 42.8,53.9
VDDQ_CPU_DDR on TOP: 41.55,49.65 41.55,46.15 42.9,46.15 42.9,49.65
VDDQ_CPU_DDR on L6_POWER2: 42.2,71.95 42.2,42.1 18.71,42.1 16.36,44.45 16.36,58.2 22.2,58.2 23.3,59.3 23.3,63.3 22.5,64.1 11.45,64.1 7.7,67.85 7.7,77.45 8.1,77.85 14.9,77.85 15.75,77 21.25,77 26.3,71.95
VIN on TOP (solid shape): 42.35,36.75 45.25,36.75 45.25,32.25 39.75,32.25 39.75,30.25 36.05,30.25 36.05,38 42.35,38
VIN on TOP (solid shape): 26.25,24.25 26.75,24.25 26.75,20 34.5,20 34.5,22 36.75,22 36.75,11.5 32.45,11.5 32.45,14 30.65,14 30.65,16 27.5,16 27.5,19.25 14.25,19.25 14.25,13.75 9.25,13.75 9.25,24.5 26,24.5
VIN on BOTTOM (solid shape): 35,22.25 37,22.25 37,11.25 33.25,11.25 33.25,25.25 35,25.25
VIN on BOTTOM (solid shape): 43.95,35.3 46.25,35.3 46.4,35.15 46.4,32.25 39.75,32.25 39.75,30.25 37,30.25 37,37.3 41.95,37.3
VIN on BOTTOM (solid shape): 26.25,19.5 13.5,19.5 13.5,13.75 10,13.75 10,20.75 7.25,20.75 7.25,23 14.3,23 14.3,24.05 26.25,24.05
VIN on L3_IN1: 9.75,27.4 9.75,13.65 31,13.65 33.35,11.3 37.65,11.3 37.65,25.25 35.7,25.25 35.7,30.25 46.5,30.25 46.5,34.75 45.4,35.85 42.35,35.85 42.35,37.9 30.45,37.9 30.45,33.5 21.85,33.5 21.85,27.4
VIN on L5_POWER1: 5,54.75 5,52.1 10.25,52.1 10.25,49.2 20.45,39 31.8,39 31.8,11.4 40,11.4 40,20 43.75,20 43.75,34.75 38.25,34.75 38.25,41.3 34.75,41.3 34.2,40.75 23.3,40.75 14.05,50 14.05,54.75
VSS_BAT on TOP (solid shape): 22.5,11 21.25,11 20.75,10.5 20.75,8.25 19.25,8.25 19.25,10.75 18.75,11.25 10.5,11.25 10.5,13.5 16.25,13.5 16.25,18.75 22.5,18.75
VSS_BAT on BOTTOM (solid shape): 22.5,9 19.25,9 19.25,11 10.5,11 10.5,13.25 16.5,13.25 16.5,18.75 22.5,18.75
VSS_BATF on TOP (solid shape): 27,13.75 32,13.75 32,7 27.5,7 27.5,10 23,10 23,18.75 27,18.75
VSS_BATF on BOTTOM (solid shape): 27,13.75 30.25,13.75 30.25,11 32,11 32,7 27.5,7 27.5,9.5 23,9.5 23,18.75 27,18.75
SHIELD on BOTTOM (solid shape): 45.45,13.2 59.85,13.2 59.85,11.45 45.45,11.45 45,11 42.9,11 41.4,12.5 38.35,12.5 38.35,14 44.65,14
SHIELD on BOTTOM (solid shape): 62.75,12.8 65.05,12.8 65.05,11.65 61.65,11.65 60.95,10.95 58.9,10.95 58.2,11.65 58.2,12.8 58.95,13.55 62,13.55
VLDO_SENS_1V8 on BOTTOM (solid shape): 62.26,95.61 62.16,95.51 60.91,95.51 60.91,97.56 62.26,97.56
VLDO_SENS_1V8 on L6_POWER2: 60.8,97.75 60.8,95.2 77.65,95.2 77.65,83.45 82.45,83.45 82.45,84.9 81.4,84.9 81.4,86.9 82.45,86.9 82.45,97.75
N20192671 on TOP (solid shape): 70.87,26.4 72.12,26.4 72.12,26.1 73.85,26.1 73.85,25.4 72.12,25.4 72.12,25.1 71.1,25.1 70.35,24.35 68.4,24.35 68.4,26.75 70.52,26.75
N20193407 on TOP (solid shape): 68.5,66.57 68.8,66.57 68.8,65.55 69.4,64.95 69.4,62.85 67.15,62.85 67.15,64.97 67.5,65.32 67.5,66.57 67.8,66.57 67.8,68.3 68.5,68.3
